# KiCad board CRMHJN_capable_carrier.kicad_pcb (continued)
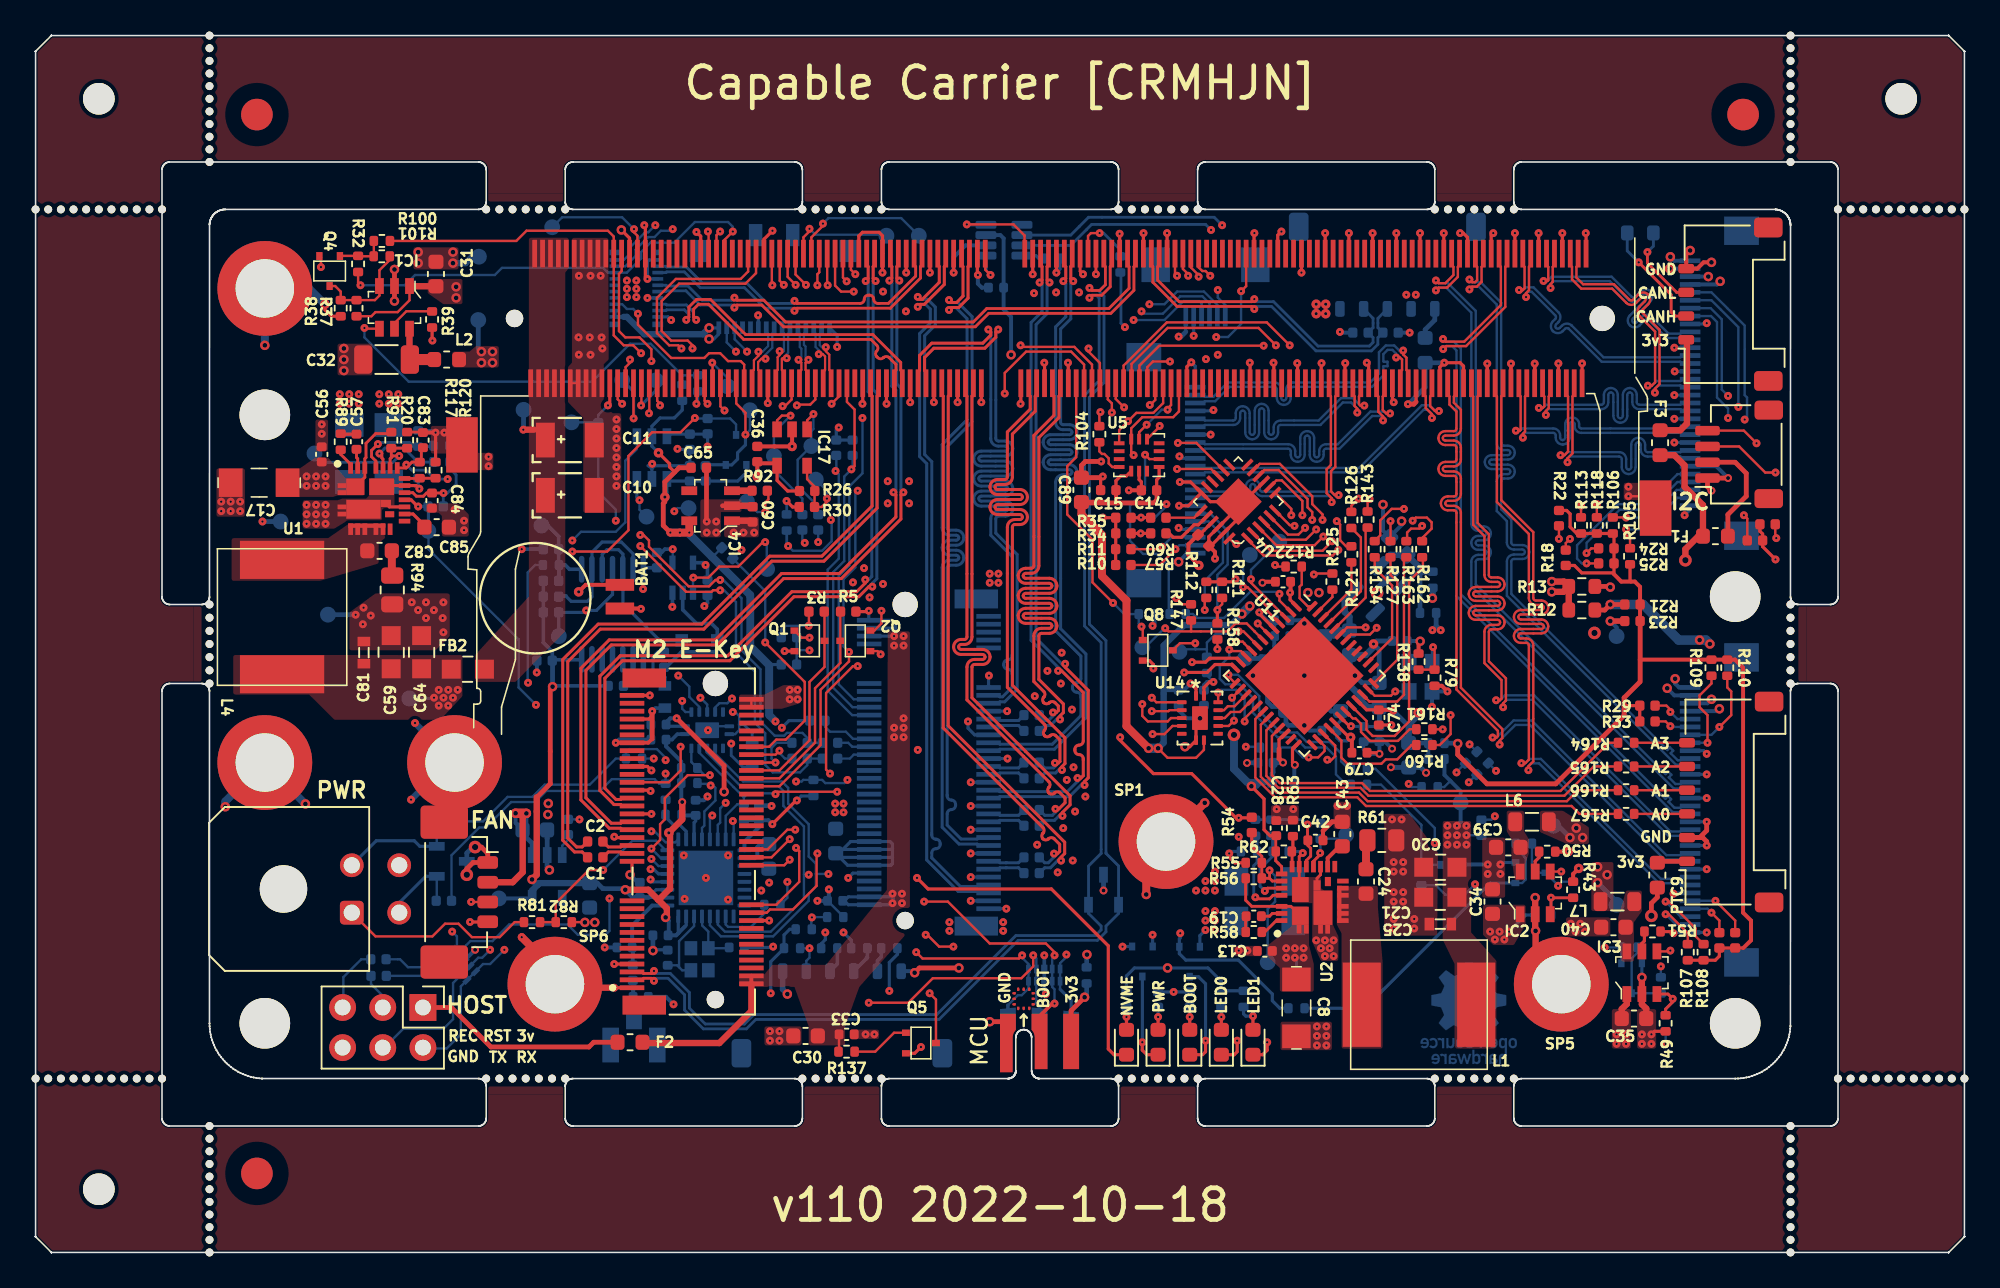
[diagram p0: board, top side]
## Routing (per net, layer and track width the routed paths; a pad name or vN(x,y) marks a point on that pad's centre or on a via; arc(x,y) is an arc through that point) (continued)
  Bottom w0.15: J6.8 105.97,59.25 106.35,58.88 106.35,54.1 107.05,53.4 v1(107.05,52.8)
Board_0-CAM1_TRIG: length 35.5
  Top w0.15: v1(98.75,47.35) R118.2 ; v1(85.7,46.27) R127.1
  In2.Cu w0.15: 98.75,47.7 99.15,47.7 101.65,50.2 103.65,50.2 107.05,53.6 v1(107.05,54.2) ; 98.75,47.7 97.33,47.7 96.72,47.1 87.3,47.1 86.85,47.55 86.28,47.55 85.9,47.17 85.9,46.48 v1(85.7,46.27) ; 98.75,47.7 v1(98.75,47.35)
  Bottom w0.15: v1(107.05,54.2) 106.65,54.6 106.65,59.05 105.95,59.75 J6.7
Board_0-CAM2_RST: length 22.5
  Top w0.15: R107.2 104.5,20.2 103.3,21.4 v1(103.1,21.4)
  In2.Cu w0.15: v1(90.65,29.75) 91.05,29.35 97.75,29.35 102.5,24.6 102.5,22 v1(103.1,21.4)
  Bottom w0.15: v1(103.1,21.4) 103.75,20.75 J7.31 ; v1(90.65,29.75) 91.14,30.24
Board_0-CAM2_TRIG: length 22
  Top w0.15: R108.2 105.49,19.51 105,20 105,20.5 103.3,22.2 v1(103.1,22.2)
  In2.Cu w0.15: v1(92.38,30.48) 92.38,30.4 93.08,29.7 97.9,29.7 102.9,24.7 102.9,22.4 v1(103.1,22.2)
  Bottom w0.15: J7.30 104.05,21.25 v1(103.1,22.2) ; v1(92.38,30.48) R155.1
Board_0-CAM3_RST: length 23.9
  Top w0.15: R161.1 88.36,33.1 v1(89,33.1) ; v1(105.75,32.25) 105.75,34 105.25,34.5 105.25,35.25 106,36 R109.2
  In2.Cu w0.15: v1(105.75,32.25) 105.4,32.25 105.25,32.4 96.9,32.4 95.9,33.4 89.3,33.4 v1(89,33.1)
  Bottom w0.15: v1(105.75,32.25) J7.8
Board_0-CAM3_TRIG: length 26.1
  Top w0.15: v1(89.5,34) 89.5,32.8 88.81,32.11 R160.1 ; R110.2 107,35.75 107.25,35.5 107.25,34 v1(106.5,33.25)
  In2.Cu w0.15: v1(89.5,34) 89.8,33.7 96,33.7 97,32.7 105.05,32.7 105.15,32.8 106.05,32.8 v1(106.5,33.25)
  Bottom w0.15: v1(106.5,33.25) 106,32.75 J7.7
Board_0-CAM3V_FLAG: length 41.5
  Top w0.15: U11.6 77.98,39.12 v1(77.3,39.8) ; v1(103.4,19.1) 103.35,19.05 IC3.4
  In2.Cu w0.15: 86.38,29.17 83.67,31.88 82.62,31.88 81.6,32.9 81.6,34.3 77.3,38.6 v1(77.3,39.8) ; 86.38,29.17 v1(86.85,29.65) ; 86.38,29.17 86.95,28.6 97.1,28.6 101.35,24.35 101.35,21.15 v1(103.4,19.1)
  Bottom w0.15: v1(86.85,29.65) 87.05,29.45 R129.2
Board_0-CAM3V_PWR: length 23.8
  In2.Cu w0.15: v1(88.5,25.9) 88.5,24.65 91.4,21.75 98.1,21.75 99.25,20.6 v1(99.25,19.3)
  Bottom w0.15: 100.3,19.3 R1.2 ; 100.3,19.3 Q7.1 ; 100.3,19.3 v1(99.25,19.3) ; R144.1 84.75,30.6 88.5,26.85 v1(88.5,25.9)
Board_0-CAM4_RST: length 9.5
  Top w0.15: v1(74.75,40.65) 74.75,40.73 75.05,41.02 R111.2
  Top w0.2: R158.1 v1(74.75,40.65)
  Bottom w0.15: v1(74.75,40.65) 74.75,42.88 75.4,43.52 75.4,45.65 74.3,46.75 J10.6
Board_0-CAM4_TRIG: length 21.1
  Top w0.15: R112.2 73.95,41.31 v1(73.95,40.65)
  In2.Cu w0.15: v1(76.55,32) 77.55,33 77.55,36.8 77.15,37.2 74.53,37.2 74.2,37.52 74.2,40.4 v1(73.95,40.65)
  Bottom w0.15: v1(73.95,40.65) 73.95,42.5 75.1,43.65 75.1,45.35 74.2,46.25 J10.5 ; R159.1 77.39,32 v1(76.55,32)
Board_0-CAM5V_FLAG: length 30.5
  Top w0.15: v1(75.95,38.65) 76.35,38.65 76.45,38.55 76.45,38.53 U11.9 ; IC2.4 v1(96.5,24.1)
  In2.Cu w0.15: v1(96.5,24.1) 96.1,24.1 92.55,27.65 ; v1(92.3,27.6) 92.35,27.65 92.55,27.65 ; 92.55,27.65 92,28.2 86.75,28.2 83.45,31.5 82.5,31.5 81.15,32.85 81.15,34.25 76.75,38.65 v1(75.95,38.65)
  Bottom w0.15: R131.2 92.08,27.39 v1(92.3,27.6)
Board_0-CAM5V_PWR: length 8.6
  Bottom w0.15: Q6.1 88.38,24.53 88.11,24.25 R119.2 87.66,27.05 85.1,29.6 R145.1
Board_0-CAM_I2C_SCL: length 71.7
  Top w0.15: v1(43.3,64.6) 43.07,64.37 M1.213 ; U11.4 78.68,39.82 77.9,40.6 77.9,40.85 76.65,42.1 v1(76.38,42.1)
  Top w0.2: R60.2 70.52,46.5 v1(69.92,46.5) 69.91,46.5 69.9,46.49 R35.2
  In2.Cu w0.15: v1(76.38,42.1) 76.38,42.08 76.3,42 72.85,42 70.75,44.1 70.75,46.2 71.25,46.7 71.25,47.35 ; v1(71.53,47.35) 71.25,47.35 ; 71.25,47.35 71.25,51.08 72.06,51.89 72.06,52.54 75.6,56.08 75.6,62.5 73.05,65.05 66.85,65.05 66.15,64.35 49.85,64.35 49.5,64 43.9,64 v1(43.3,64.6)
  Bottom w0.15: v1(71.53,47.35) 71.5,47.33 71.5,47.2 70.8,46.5 v1(69.92,46.5) ; v1(76.38,42.1) 76.38,43.71 TP10.1
Board_0-CAM_I2C_SDA: length 72.2
  Top w0.15: U11.3 79.05,40.2 76.88,42.38 v1(76.88,42.6) ; v1(42.52,64.6) 42.57,64.56 M1.215
  Top w0.2: R34.2 v1(69.9,45.5) R57.2
  In2.Cu w0.15: v1(76.88,42.6) 76.88,41.88 76.62,41.62 72.72,41.62 70.4,43.95 70.4,46.3 70.97,46.88 70.97,51.27 71.79,52.09 71.79,52.71 75.3,56.23 75.3,62.4 73.75,63.95 50,63.95 49.75,63.7 43.42,63.7 v1(42.52,64.6) ; v1(69.9,45.5) 70.4,45.5
  Bottom w0.15: v1(76.88,42.6) 76.88,43.19 TP1.1
Board_0-CAM_VIO: length 67.7
  Top w0.2: 100.9,42.45 100.85,42.5 R105.1 ; 99.86,45.49 R118.1 R113.1 97.47,45.49 97.06,45.91 97.06,46.73 96.84,46.95 R22.1 ; R107.1 R108.1 106.24,18.49 106.5,18.75 R27.1 R28.1 108.02,19.27 ; R18.1 97.33,43.47 97.8,43 99.75,43 99.83,42.91 R25.1 R24.1 99.83,45.41 ; R33.1 R29.1 100.5,34.6 100.47,34.58
  Top w0.25: 99.83,42.91 100.3,42.45 101.15,42.45 101.48,42.12 R21.1 R23.1 101.49,39.95 ; 101.49,36.12 101.47,36.09 ; 108.02,19.27 108.5,19.75 108.5,21 108,21.5 108,37 107.49,37.51 R110.1 R109.1 101.49,37.51
  Top w0.3: 101.49,36.12 101.49,39.95 ; 101.47,36.09 100.47,35.1 100.47,33.98 96.15,29.65 91.8,29.65 89.95,31.5 v2(89.95,32.2)
  Bottom w0.3: v2(89.95,32.2) 89.92,32.23 R150.1
Board_0-CAN_RX: length 6.3
  Top w0.15: M1.143 62.55,63.22 62.55,64.35 61.85,65.05 v1(58.9,65.05)
  Bottom w0.2: v1(58.9,65.05) 58.92,65.03 60.11,65.03
Board_0-CAN_TX: length 2.8
  Top w0.15: M1.145 60.07,62.18 v1(60.4,61.85)
  Bottom w0.15: U6.1 60.11,62.64 60.15,62.6 60.15,62.1 v1(60.4,61.85)
Board_0-ENET_LED0: length 8.2
  Top w0.15: v1(47.25,53.55) 47.4,53.55 47.82,53.97 M1.194
  In2.Cu w0.15: v1(44.3,57) 44.3,56.5 v1(47.25,53.55)
  Bottom w0.15: v1(44.3,57) 43.72,57.58 J3.2
Board_0-ENET_LED1: length 9.1
  Top w0.15: M1.188 49.32,53.97 49,53.65 48.2,53.65 v1(48.15,53.6)
  In2.Cu w0.15: v1(45,57) 45,56.4 47.2,54.2 47.55,54.2 v1(48.15,53.6)
  Bottom w0.15: v1(45,57) 44.22,57.78 J3.3
Board_0-ENET_TRD0_N: length 4
  Top w0.14: M1.184 50.32,55.73 50.2,55.84 50.2,56.81 49.98,57.03 v1(49.98,57.28)
  Bottom w0.14: v1(49.98,57.28) 49.73,57.28 49.6,57.41 49.6,58.15 49.72,58.26 J3.14
Board_0-ENET_TRD0_P: length 4
  Top w0.14: v1(49.54,56.84) 49.79,56.84 49.94,56.7 49.94,55.84 49.82,55.73 M1.186
  Bottom w0.14: J3.13 49.22,58.26 49.33,58.15 49.33,57.3 49.54,57.09 v1(49.54,56.84)
Board_0-ENET_TRD1_N: length 3.8
  Top w0.14: M1.190 48.82,55.73 48.7,55.84 48.7,56.3 v1(48.88,56.48)
  Bottom w0.14: v1(48.88,56.48) 48.7,56.66 48.7,57.32 48.6,57.43 48.6,58.15 48.72,58.26 J3.12
Board_0-ENET_TRD1_P: length 3.8
  Top w0.14: M1.192 48.32,55.73 48.44,55.84 48.44,56.3 v1(48.26,56.48)
  Bottom w0.14: v1(48.26,56.48) 48.44,56.66 48.44,57.19 48.33,57.29 48.33,58.15 48.22,58.26 J3.11
Board_0-ENET_TRD2_N: length 3.9
  Top w0.14: v1(47.51,56.59) 47.25,56.59 47.2,56.54 47.2,55.84 47.32,55.73 M1.196
  Bottom w0.14: v1(47.51,56.59) 47.51,56.84 47.6,56.93 47.6,58.15 47.72,58.26 J3.10
Board_0-ENET_TRD2_P: length 3.9
  Top w0.14: v1(47.06,57.03) 47.06,56.78 46.94,56.65 46.94,55.84 46.82,55.73 M1.198
  Bottom w0.14: v1(47.06,57.03) 47.32,57.03 47.33,57.04 47.33,58.15 47.22,58.26 J3.9
Board_0-ENET_TRD3_N: length 4.1
  Top w0.14: v1(46.17,56.55) 45.91,56.55 45.7,56.34 45.7,55.84 45.82,55.73 M1.202
  Bottom w0.14: J3.8 46.72,58.26 46.6,58.15 46.6,57.24 46.17,56.81 v1(46.17,56.55)
Board_0-ENET_TRD3_P: length 4.1
  Top w0.14: v1(45.72,57) 45.72,56.74 45.44,56.45 45.44,55.84 45.32,55.73 M1.204
  Bottom w0.14: v1(45.72,57) 45.98,57 46.33,57.35 46.33,58.15 46.22,58.26 J3.7
Board_0-FAN_PWM: length 10.5
  Top w0.15: v1(38.8,53.1) 38.82,53.12 M1.230
  In2.Cu w0.15: v1(38.2,47.6) 38,47.8 38,50.75 38.8,51.55 v1(38.8,53.1)
  Bottom w0.15: TP13.1 38.2,47 v1(38.2,47.6)
  Bottom w0.2: v1(38.2,47.6) 38.03,47.77 U3.3
Board_0-FAN_TACH: length 9.1
  Top w0.15: M1.208 44.32,53.72 44.9,53.14 v1(44.9,51.75)
  Bottom w0.15: TP14.1 45.18,52.03 v1(44.9,51.75)
  Bottom w0.2: v1(44.9,51.75) 44.9,51.1 44.4,50.6 44.4,50.2 44.03,49.83 T3.2 43.64,49.84 42.45,49.84 R95.2
Board_0-GND: length 387.7
  Top w0.1: 71.57,64.5 v1(71.57,64.5)
  Top w0.125: M1.250 M1.248
  Top w0.15: v1(18.05,62.35) 18.05,62.95 Q4.2 ; v2(34.74,20.89) 34.73,20.9 R82.1 ; 70.07,64.49 v1(70.08,64.5) ; v2(18.3,60) 18.31,59.99 ; v1(100.75,47.85) 101.72,47.85 M1.262 ; v1(53.5,40.6) 53.5,39.8 53.05,39.35 Q2.2
  Top w0.18: R20.1 24.47,51.91 ; 22.37,47.17 U1.27 ; U2.27 81.05,23.68 81.28,23.9 U2.13 ; M1.129 66.07,62.08 v1(66.25,61.9) ; M1.125 67.07,61.9 v1(67.07,61.9) ; 21.96,48.52 U1.25 ; v1(80.15,25.28) 79.92,25.05 U2.16 79.92,23.04 U2.25
  Top w0.2: 55.32,53.8 55.32,53.8 M1.164 ; v1(56.82,53.8) M1.158 ; v1(58.32,53.8) M1.152 ; v1(59.82,53.8) M1.146 ; v1(64.57,62) M1.135 ; v1(56.57,62) M1.159 ; v1(58.07,62) M1.153 ; v1(53.57,62) M1.171 53.57,64.33 53.35,64.55 52.3,64.55 52.07,64.32 M1.177 ; v1(55.07,62) M1.165 ; U4.25 74.3,47.51 U4.18 ; U4.25 76.07,46.45 U4.23 74.35,44.72 C9.2 ; U4.25 76.43,47.51 U4.9 ; U4.25 76.07,47.15 U4.22 74.21,45.29 C9.2 ; C74.1 85.75,33.38 ; J4.1 v1(36.6,16.75) ; v1(38.95,30.5) 38.7,30.75 J4.57 ; v1(89.07,64.5) 89.07,64.5 M1.37 ; M1.119 68.57,64.46 v1(68.57,64.46) ; v1(65.3,56.3) 65.32,56.28 M1.132 ; v2(72.7,32) 73,32 73.4,32.4 U14.7 73.4,33.55 v2(73.65,33.8) ; v1(84.2,56.3) 84.32,56.18 M1.56 ; R51.1 102.79,20.3 103.5,20.3 v1(103.6,20.2) ; 27.04,51.36 26.18,51.36 26.14,51.32 26.14,50.69 ; M1.13 95.07,64.5 v1(95.07,64.5) ; v1(81.57,64.5) 81.57,64.5 M1.67 ; v1(73.1,56.33) 72.82,56.04 M1.102 ; v1(80.07,62) 80.07,63.2 M1.73 ; C9.2 74.21,44.72 ; J4.39 36.65,26.25 v1(36.6,26.3) ; M1.113 70.07,64.49 ; v1(93.32,56.25) 93.32,56.24 M1.20 ; M1.7 96.57,64.5 v1(96.57,64.5) ; M1.200 46.31,54.99 v1(46.31,53.74) ; v3(85,31.55) 84.93,31.62 C79.1 ; v1(41.8,64.58) 42.07,64.31 M1.217 ; U4.18 73.73,48.07 73.05,48.75 v1(72.38,48.75) ; U4.18 72.92,47.25 v1(72.33,47.25) ; v1(92.2,64.5) 92.07,64.37 M1.25 ; v1(83.07,64.5) 83.07,64.5 M1.61 ; v1(46.61,64.65) 46.07,64.11 M1.201 ; J4.51 38.85,29.25 v1(38.9,29.2) ; J4.69 38.8,33.75 39,33.95 v1(39,34.25) ; v1(56,13) 55.6,12.6 Q5.2 ; J4.75 v1(38.85,35.25) ; U5.6 69.8,48.9 69.94,48.76 C14.1 ; v1(52.3,53.7) 52.32,53.72 M1.176 ; v1(77.09,64.5) 77.07,64.48 M1.85 ; v1(98.05,64.5) 98.07,64.48 M1.1 ; v1(70.7,36.95) 70.7,37.2 70.45,37.45 Q8.2 ; v1(46.4,21) J4.18 ; M1.74 79.82,56.25 ; 37.73,24.03 J4.33 ; v1(84.57,64.5) 84.57,64.5 M1.55 ; 21.96,48.52 23.97,48.52 23.98,48.52 24.08,48.52 v1(24.27,48.33) ; v1(38.95,27.75) J4.45 ; 87.32,53.82 M1.44 ; 36.86,49.22 v1(36.74,49.11) ; M1.144 62.32,53.72 v1(62.3,53.7) ; J4.7 v1(36.6,18.25) ; v1(67.5,49.1) 67.36,48.97 67.36,48.16 ; 32.85,17.85 SP6.1 ; M1.79 78.57,64.37 v1(78.8,64.6) ; M1.2 97.82,56.25 ; v1(87.57,64.5) 87.57,64.5 M1.43 ; M1.170 53.82,53.71 v1(53.83,53.7) ; R49.1 102.39,13.99 v1(102.2,13.8) ; M1.86 76.82,56.28 v1(76.8,56.3) ; v1(47.5,47.55) 47.88,47.17 R30.1 ; v1(63.07,61.9) 63.07,61.9 M1.141 ; v1(94.82,56.25) 94.82,56.24 M1.14 ; M1.68 81.32,56.25 v1(81.34,56.27) ; M1.8 96.32,56.25 ; M1.107 71.57,64.5 ; v1(78.3,56.3) 78.32,56.28 M1.80 ; v1(93.57,64.5) 93.57,64.5 M1.19 ; R55.1 75.84,24.66 75.5,25 v1(75.5,25.25) ; M1.138 63.82,56.28 v1(63.8,56.3) ; 18.31,59.99 18.31,59.64 18.71,59.24 R38.1 ; v1(59.6,61.85) 59.57,61.88 M1.147 ; M1.38 88.82,56.02 v1(89.1,56.3) 90.1,56.3 90.32,56.08 M1.32 ; v1(38.5,65) 38.57,64.93 M1.231 38.57,61.73 v1(38.7,61.6) ; v1(86.07,64.5) 86.07,64.5 M1.49 ; v1(47.38,38.05) Q1.2 ; M1.31 90.57,64.23 90.3,64.5 v1(90.1,64.5) ; U1.13 22.37,47.17 ; R120.2 v1(25.3,51.88) ; v1(85.9,53.8) 85.82,53.88 M1.50 ; M1.62 82.82,56.25 ; 25.08,57.72 R39.1
  Top w0.22: M1.26 91.82,56.24 v1(91.82,56.25) ; M1.20 93.32,56.24 ; M1.14 94.82,56.24
  Top w0.23: v1(36.7,32.25) J4.63 38.75,32.25 39,32.5
  Top w0.25: v1(89.3,35.5) 88.94,35.85 R79.2 ; v1(69.15,48.23) C14.1 ; BAT1.- 38.27,40.74 v1(38.29,40.73) ; C67.1 77.67,42.44 v3(77.6,42.38) ; IC17.2 v4(47.85,51) 46.75,51 46.75,51 C36.1 ; R50.1 96.94,25.36 v4(96.95,25.38) ; v1(25.1,57.7) 25.08,57.72 ; v1(74.6,43.9) 74.6,44.33 74.21,44.72 ; 25.28,51.88 24.3,51.88 ; v2(106,62.65) 105.5,62.65 105.1,62.25 J16.4 104.41,63.16 v2(104.65,63.4) ; v4(97.6,24.3) 97.25,23.95 R43.1 ; C42.2 81.43,26.68
  Top w0.3: v1(105.7,25.75) 105.7,26 105.45,26.25 104.44,26.25 105.25,26.25 105.7,26.7 v1(105.7,27.25) ; v1(67.4,50.05) 66.4,50.05 66.15,49.8 C89.1 67.42,49.02 v1(67.5,49.1) ; v1(86.8,53.67) 87.17,53.67 87.32,53.82 ; v2(22.7,60.2) IC1.2 v2(22.7,62.2) ; v5(27.27,23.9) 27.27,24.28 27.67,24.67 J12.1 28.6,25.25 28.2,25.65 v5(27.8,25.65) ; v1(42.45,46.25) 42.44,46.27 C65.2 ; C43.2 82,27.25 81.43,26.68 ; v3(106,48.2) 105.75,48.45 J15.1 v3(107.05,49) ; 26.14,52.29 27.03,52.29 ; 44.05,47.25 43.45,47.25 ; 39,32.5 v1(39,34.25) ; J18.1 v2(60.35,14.6)
  Top w0.4: C35.2 101.88,15.42 101.6,15.7 IC3.2 v2(101.6,17.4) ; v2(94.85,22.45) IC2.2 94.85,20.38 v2(94.88,20.35) 94.88,18.6 SP5.1 ; v1(36.6,16.75) 33.08,16.75
  Top w0.406: 44.05,47.25 45.28,47.25
  Top w0.5: v2(73.95,28.45) SP1.1 70.25,24.75 v2(70.25,22.65) ; v1(30.75,19.95) 32.85,17.85
  Bottom w0.15: v1(39,49.9) 39,49.73 38.98,49.71 ; 51.09,21.25 C46.1 ; 20.24,40.36 v1(20.24,40.35) ; U8.15 42.73,33.3 U8.7
  Bottom w0.18: v1(44,32.2) 44,31.45 44.73,30.73 C54.1 ; v1(80.15,25.28) 80.05,25.38 R53.2 ; R74.2 25.16,52.01 v1(25.3,51.88) ; v1(47.5,47.55) 47.51,47.54 R70.2 ; v1(24.27,48.33) 24.2,48.4 R19.2
  Bottom w0.2: v1(103.65,54.25) J6.18 ; J13.2 38.8,62.8 38.7,62.7 v1(38.7,61.6) J13.8 ; v2(39.05,19.1) 39.1,19.15 39.96,19.15 C29.2 ; v2(39.05,19.1) 39.15,19.2 ; v2(39.05,19.1) 39.1,19.1 ; v2(39.05,19.1) 39.05,19.1 ; J8.39 v1(61.47,31.25) ; J10.22 73.35,56.08 v1(73.1,56.33) ; R45.2 75.62,25.38 v1(75.5,25.25) ; v1(73.99,20.4) 73.64,20.05 T2.2 ; v1(70.65,39.65) 70.8,39.8 R157.1 ; J6.32 104.65,47 v1(104.3,46.65) ; v1(40.6,50.85) 40.64,50.81 C88.1 C86.1 39.17,49.78 ; J10.4 72.4,45.75 v1(72.3,45.85) ; 38.98,49.59 38.8,49.78 38.75,49.78 38.92,49.78 ; 38.98,49.59 U3.2 ; 38.98,49.59 39.17,49.78 ; 38.98,49.59 38.98,49.71 38.92,49.78 ; C66.1 C72.1 84,31.85 ; J5.2 v1(73.25,58) ; v1(105.7,31.55) 105.5,31.75 J7.9 ; 38.92,49.78 39.17,49.78 ; v1(72.35,50.38) 72.47,50.25 J10.13 ; J8.57 60.27,36.47 v1(60.3,36.5) ; v1(74.33,51.75) J10.16 ; T4.2 70.65,19.36 v1(70.65,20.1) ; v1(58.97,33.6) 58.97,33.18 59.4,32.75 J8.45 ; J8.27 v1(59.15,28.25) ; v1(103.65,57.25) J6.12 ; J8.1 v1(61.4,21.75) ; v1(92.65,24.55) 92.78,24.67 Q3.2 ; v1(74.5,53.3) 74.45,53.25 J10.19 ; J7.24 v1(105.7,24.25) ; J8.33 v1(59.15,29.75) ; J8.15 v1(59.15,25.25) ; J7.12 v1(105.7,30.25) ; v1(72.38,48.75) J10.10 ; v1(61.45,34.25) 60.28,34.25 ; J13.14 v1(38.7,60.4) ; J8.9 v1(59.15,23.75) ; J3.15 50.7,58.03 v1(50.7,57.3) ; J7.27 103.65,22.75 v1(103.6,22.7) ; v1(103.65,52.75) J6.21 ; 38.97,34.22 v1(39,34.25) ; J7.18 v1(105.7,27.25) ; J6.9 105.65,58.75 v1(105.7,58.8) ; v1(40.2,59) 40,59.2 J13.20 ; C27.2 46.6,19.3 v1(46.65,19.35) ; v1(72.33,47.25) J10.7 ; J7.15 v1(105.7,28.75) ; v1(103.6,20.2) 103.65,20.25 J7.32 v1(105.7,20.25) ; J3.6 45.72,59.28 v1(45.7,59.3) ; v1(103.65,51.25) J6.24 ; v1(64.57,62) 64.8,62.23 R124.1 ; v1(103.67,55.75) J6.15 ; J8.3 v1(59.15,22.25) ; J8.21 v1(59.15,26.75) ; J7.21 v1(105.7,25.75) ; Q7.2 v2(101.6,17.4)
  Bottom w0.23: C63.1 39.19,34.44 v1(39,34.25) 38.92,34.17 ; v1(40.27,40.85) 40.28,40.86 IC13.3 ; v1(63.8,18.8) U9.8 U9.3 63.8,16.45 v1(63.9,16.35) ; v1(38.42,41.98) 38.44,41.99 IC12.7 38.54,43.32 R136.1 ; C41.1 v1(30.75,44.5) ; C71.1 42.5,41.1 v1(42.3,40.9)
  Bottom w0.25: v3(85,31.55) 84.3,31.55 84,31.85 ; v2(80.25,39.8) 80.05,40 C61.1 ; 85,31.42 C66.1 85.36,32.32 v3(85.8,31.88) ; J6.27 106.3,49.75 v3(107.05,49) ; 79.97,38.9 79.88,39 C58.1 ; C26.1 38.08,23.42 v2(37.6,23.9) ; 41.75,28.62 42.27,28.62 v1(42.5,28.85) ; v2(86.4,46.27) 86.4,46.02 85.63,45.26 C76.1 85.63,45.27 85.22,45.67 v2(85.22,47.33) ; v1(36,19.3) C7.2 ; v1(88.33,34.52) U12.2 v1(89.3,35.5) ; C48.1 31.71,36.71 v1(31.7,36.7) ; v3(27.8,19.15) U10.8 U10.3 ; U6.2 58.83,63.73 58.07,62.97 v1(58.07,62) ; v1(91.85,24.55) 90.17,24.55 Q6.2 ; v1(50.17,22.97) 50.17,22.33 ; D5.2 v1(86.91,58.2) ; C6.2 39.88,16.17 v1(40.35,15.7) ; v1(82.5,58.25) 82.55,58.2 D1.2 ; C45.1 73.9,34.05 v2(73.65,33.8) 72.8,33.8 72.3,34.3 C44.1 ; v1(59.6,61.85) 59.6,61.3 59.85,61.05 C90.1 ; 81.36,33.02 81.35,33.02 80.58,33.02 v2(80.25,33.35) ; 38.92,34.17 C50.1 C53.1 36.9,32.45 v1(36.7,32.25) ; v1(49.45,22.25) C46.1
  Bottom w0.3: 45.75,28.27 46.53,28.27 v1(46.55,28.25) ; C3.2 32.35,26.2 32.36,26.19 IC5.2 ; C73.2 76.64,30.98 ; 74.64,20.35 v1(74.59,20.4) ; C87.1 84.81,38.69 v4(84.62,38.5) 84.98,38.14 C62.1 84.97,36.05 83.9,36.05 v2(83.45,36.5) ; 32.35,25.13 32.35,24.35 v2(32.5,24.2) ; v2(80.25,33.35) 79.25,33.35 79.08,33.52 C80.1 78.2,34.55 77.92,34.83 77.92,35.58 v2(77,36.5) ; v3(87.95,30.35) 87.61,30.69 C75.1 85.96,30.69 85.95,30.7 v3(85.72,30.7) ; v5(27.8,25.65) 27.65,25.65 27.27,25.28 D3.3 v5(27.27,23.9) ; v1(86.8,53.67) 86.83,53.67 87.89,54.74 L3.1 89.09,56.3 v1(89.1,56.3) ; C23.1 39.05,19.1 ; D4.3 v3(67.55,22.9) ; TP17.1 20.24,40.36 ; v2(80.25,36.5) 79.97,36.77 C55.1 79.97,38.9 80.25,39.17 v2(80.25,39.8)
  Bottom w0.35: v2(47.55,16.35) 47.25,16.65 J11.6
  Bottom w0.4: v4(84.62,38.5) 84.62,38.3 84.13,37.8 C77.1 83.1,36.85 v2(83.45,36.5) ; v5(84.85,41.73) 84.85,41.98 85.65,42.78 ; v1(23.75,28.65) 26.1,31 SP2.1 v1(24,33.5) ; TP44.1 27.61,63.01 27.2,62.6 v2(26.4,62.6)
  Bottom w0.5: v2(18.3,60) 17.3,61 SP3.1 v2(14.5,57.4) ; v2(12,28.2) 12,28.54 14.45,30.99 17.06,28.38 v2(17.07,28.38)
  vias: v1(11.74,47.51) v1(11.74,46.91) v1(12.34,47.51) v1(12.34,46.91) v1(12.94,47.51) v1(12.94,46.91) v1(17.14,47.31) v1(17.14,46.71) v1(17.14,46.11) v1(17.74,47.31) v1(17.74,46.71) v1(17.74,46.11) v1(18.1,52.4) v1(18.1,51.8) v1(18.34,47.31) v1(18.34,46.71) v1(18.34,46.11) v1(19.24,54.31) v1(19.24,53.71) v1(19.84,54.31) v1(19.84,53.71) v1(20.44,54.31) v1(20.44,53.71) v1(20.74,40.8) v1(20.7,39.75) v1(21.2,40.3) v1(23.79,41.14) v1(24.19,40.64) v1(24.69,41.14) v1(24.69,40.14) v1(25.19,40.64) v1(25.75,40.14) v1(25.79,41.14) v1(25.79,39.24) v1(25.85,51.88) v1(26.5,47) v1(27.1,46.3) v1(27.1,45.7) v1(28.65,50.35) v1(28.65,49.75) v1(34.34,57.91) v1(34.37,61.8) v1(34.36,56.81) v1(35.05,57.9) v1(35.1,61.8) v1(35.1,56.8) v1(35.74,61.8) v1(35.8,57.9) v1(35.85,57.2) v1(36.74,52.71) v1(36.74,52.11) v1(36.74,51.51) v1(36.74,50.91) v1(36.74,50.31) v1(36.74,49.71) v1(36.74,48.51) v1(41,25.13) v1(41.05,22.38) v1(42.4,23.7) v1(42.45,45.55) v1(42.53,33.05) v1(43.05,46.25) v1(43.05,45.55) v1(43.8,25.13) v1(43.8,22.33) v1(45.9,22.9) v1(46.4,23.4) v1(46.45,14) v1(46.45,13.4) v1(47.05,14) v1(47.05,13.4) v1(50.58,28.4) v1(50.58,27.85) v1(51.1,28.4) v1(51.1,27.85) v1(51.7,42.4) v1(52.4,43.3) v1(52.5,13.8) v1(52.75,41.45) v1(53.05,13.8) v1(53.6,60.8) v1(53.6,42.3) v1(53.9,48.8) v1(53.9,47.4) v1(55.05,59.55) v1(55.25,48.8) v1(55.25,47.4) v1(55.32,53.8) v1(57.8,20.9) v1(57.8,20.35) v1(60.35,42.95) v1(60.35,42.38) v1(60.9,42.95) v1(60.9,42.38) v1(61.2,20.9) v1(61.2,20.35) v1(63.15,60.7) v1(63.2,35.2) v1(63.35,25.8) v1(64,36.8) v1(64.55,60.75) v1(64.65,24.05) v1(64.85,36) v1(64.9,37.95) v1(65,26.85) v1(65.22,29.9) v1(65.55,34.35) v1(65.6,24.8) v1(65.65,30.7) v1(65.75,27.9) v1(66,60.75) v1(66.4,28.85) v1(73.99,21.6) v1(73.99,21) v1(74.59,21.6) v1(74.59,21) v1(76.1,19.1) v1(76.65,19.1) v1(78.5,28.05) v1(79.55,28.05) v1(79.8,56.27) v1(81,19.75) v1(81.04,14.3) v1(81.04,13.7) v1(81.04,13.1) v1(81.3,19.25) v1(81.55,19.75) v1(81.55,18.75) v1(81.64,14.3) v1(81.64,13.7) v1(81.64,13.1) v1(81.85,19.25) v1(82.1,19.75) v1(82.1,18.75) v1(82.35,28.25) v1(82.84,56.27) v1(82.95,28.25) v1(85.75,33.37) v1(85.8,27.4) v1(85.9,24.7) v1(85.9,24.1) v1(85.9,22.8) v1(85.9,22.2) v1(85.9,21.1) v1(85.9,20.5) v1(86.4,27.4) v1(86.5,24.7) v1(86.5,24.1) v1(86.5,22.8) v1(86.5,22.2) v1(86.7,60.6) v1(87.2,21.1) v1(87.2,20.5) v1(87.3,60.6) v1(91.85,23.95) v1(92.65,23.95) v1(96.32,56.26) v1(97.1,20.8) v1(97.4,20.3) v1(97.7,20.8) v1(97.82,56.26) v1(98,20.3) v1(100.75,48.45) v1(101.6,13.8) v1(101.6,13.2) v1(102.2,13.2) v2(19.5,57.2) v2(19.5,56.5) v2(19.5,55.8) v2(24.2,63.3) v2(24.2,62.6) v2(26.4,63.3) v2(32.43,28.41) v2(32.41,27.71) v2(35.37,20.89) v3(76.62,30.98)
Board_0-GPIO00: length 17.6
  Top w0.15: R104.2 67.28,53.11 v1(67.35,53.17) ; v1(76.25,60.83) 76.57,61.14 M1.87
  In2.Cu w0.15: v1(67.35,53.17) 67.35,53.88 71.95,58.48 74.12,58.48 v1(74.67,57.92)
  Bottom w0.15: v1(76.25,60.83) 76.25,58.75 75.42,57.92 v1(74.67,57.92)
Board_0-GPIO01: length 26.3
  Top w0.15: M1.118 68.82,56.12 71.55,58.85 77.88,58.85 v1(79.33,57.4) ; v1(84.38,47.67) 84.25,47.55 R143.2
  In3.Cu w0.15: v1(84.38,47.67) 84.08,47.98 84.08,51.4 80.53,54.95 80.53,56.67 79.8,57.4 v1(79.33,57.4)
Board_0-GPIO04: length 4.1
  Top w0.15: M1.127 66.57,64.32 66.75,64.5 v1(67.3,64.5)
  Bottom w0.18: v1(67.3,64.5) 67.55,64.5 68.61,63.44 R90.1
Board_0-GPIO06: length 19
  Top w0.15: v1(69.95,39.6) 70.03,39.52 Q8.1 ; M1.130 65.82,50.32 65.25,49.75 65.25,46.7 66.85,45.1 66.85,42.4 v1(68.15,41.1)
  Bottom w0.15: v1(68.15,41.1) 68.86,40.4 69.78,40.4 69.78,39.77 v1(69.95,39.6)
Board_0-GPIO07: length 11.6
  Top w0.15: v1(38.1,59.4) 38.1,58.7 40.2,56.6 42.3,56.6 42.6,56.9 43.3,56.9 43.8,56.4 44.6,56.4 44.82,56.18 M1.206
  Bottom w0.15: J13.15 37.1,60 37.4,59.7 37.8,59.7 v1(38.1,59.4)
Board_0-GPIO09: length 28.6
  Top w0.15: M1.211 43.57,64.07 v1(44.1,64.6) ; R32.2 20.4,61.35 v1(20.55,61.2)
  Bottom w0.15: v1(44.1,64.6) 44.1,64.9 43.8,65.2 41.7,65.2 40.4,63.9 38.9,63.9 38.3,63.3 38.3,62.9 37.4,62 J13.5 36.2,62 35.9,62.3 29.5,62.3 29.05,61.85 24,61.85 23.35,61.2 v1(20.55,61.2)
Board_0-GPIO11: length 22.2
  Top w0.15: v1(42.5,53.7) 42.32,53.88 M1.216
  In2.Cu w0.15: v1(42.5,53.7) 42.5,52.9 41.9,52.3 41.9,44.9 40.95,43.95 40.95,36.8 v1(40.65,36.5)
  Bottom w0.15: U8.3 41.98,34.52 41.35,35.15 41.35,35.8 v1(40.65,36.5)
Board_0-GPIO13: length 22.8
  Top w0.15: v1(39.5,53.6) 39.5,53.7 39.32,53.88 M1.228
  In2.Cu w0.15: v1(39.5,53.6) 39.5,51.6 38.4,50.5 38.4,48.4 38.9,47.9 38.9,36.9 v1(40.9,34.9)
  Bottom w0.15: U8.2 41.1,34.2 40.9,34.4 v1(40.9,34.9)
Board_0-I2C0_SCL: length 20.3
  Top w0.15: v1(49.2,53.05) 48.8,52.65 IC17.1 ; M1.185 50.07,61.23 v1(50.1,61.2)
  In2.Cu w0.15: v1(50.1,61.2) 50.1,59.35 51.67,57.77 51.67,56.88 49.2,54.4 v1(49.2,53.05)
  Bottom w0.15: R69.2 49.5,47.2 48.2,48.5 48.2,50.16 TP23.1 49.07,51.97 49.2,52.1 v1(49.2,53.05)
Board_0-I2C0_SDA: length 21.8
  Top w0.15: v1(49.45,61.2) 49.45,61.9 49.57,62.02 M1.187 ; v1(47.75,52.95) 47.2,52.95 46.9,52.65 IC17.3
  In2.Cu w0.15: v1(49.45,61.2) 49.45,59.45 51.3,57.6 51.3,57 48.8,54.5 48.8,53.45 48.3,52.95 v1(47.75,52.95)
  Bottom w0.15: R68.2 48.5,47.7 46.7,49.5 TP24.1 46.7,51.9 v1(47.75,52.95)
Board_0-I2C1_SCL: length 23.5
  Top w0.15: v1(49.8,65.1) 49.8,64.96 49.07,64.23 M1.189
  In2.Cu w0.15: v1(49.8,65.1) 49.7,65.2 40.75,65.2 v1(40.3,64.75)
  Bottom w0.15: v1(49.8,65.1) 50.15,65.45 54.75,65.45 TP2.1 ; v1(40.3,64.75) 40.2,64.65 39.55,64.65 39.15,64.25 38.75,64.25 37.95,63.45 37.95,63.05 37.3,62.4 J13.3
Board_0-I2C1_SDA: length 20.5
  Top w0.15: M1.191 48.57,64.23 48.95,64.61 v1(48.95,64.78)
  In3.Cu w0.15: v1(39.2,65) 39.4,65.2 48.55,65.2 48.7,65.05 48.7,65.03 v1(48.95,64.78)
  Bottom w0.15: v1(39.2,65) 38.75,64.55 38.55,64.55 37.65,63.65 37.65,63.25 37.2,62.8 J13.1 ; TP18.1 53.75,64.4 49.33,64.4 v1(48.95,64.78)
Board_0-I2C2_SCL: length 36.5
  Top w0.15: v1(38.25,44.7) 41.15,41.8 42.75,41.8 42.85,41.9 v1(43.3,41.9) ; M1.232 38.32,53.62 v1(38.3,53.6)
  In2.Cu w0.15: v1(38.3,53.6) 37.85,53.6 37.33,53.08 37.33,45.52 38.15,44.7 v1(38.25,44.7)
  Bottom w0.15: v1(43.3,41.9) 43.55,41.9 44.3,41.15 44.3,37.95 45.5,36.75 45.5,33.5 46.15,32.85 46.15,30.85 46.62,30.38 48.35,30.38 48.81,30.84 R9.2 R7.1
  Bottom w0.2: v1(38.3,53.6) 39.25,54.55 TP19.1
Board_0-I2C2_SDA: length 34.4
  Top w0.15: v1(38.25,45.4) 38.45,45.4 38.8,45.05 38.8,44.65 41.3,42.15 42.6,42.15 43,42.55 v1(43.3,42.55) ; v1(37.83,52.77) 37.82,52.78 M1.234
  In2.Cu w0.15: v1(38.25,45.4) 37.65,46 37.65,52.6 v1(37.83,52.77)
  Bottom w0.15: v1(43.3,42.55) 43.5,42.55 44.65,41.4 44.65,38.1 45.85,36.9 45.85,33.6 46.75,32.7 47.35,32.7 47.52,32.88 48.5,32.88 48.81,32.56 R8.2 R6.1
  Bottom w0.2: TP21.1 37.83,54.48 v1(37.83,52.77)
Board_0-I2S0_DIN: length 32.9
  Top w0.15: v1(48.08,61.23) 47.57,61.73 M1.195
  In2.Cu w0.15: v1(48.08,61.23) 48.08,61.27 49.55,62.75 50.45,62.75 50.7,63 68.45,63 69.95,61.5 v1(69.95,59.55)
  Bottom w0.15: 74.25,59.55 74.25,60.05 73.8,60.5 72.4,60.5 71.3,59.4 70.1,59.4 v1(69.95,59.55)
Board_0-I2S0_DOUT: length 31.9
  Top w0.15: M1.193 48.07,61.88 v1(48.73,61.23)
  In2.Cu w0.15: v1(48.73,61.23) 49.92,62.42 50.72,62.42 51,62.7 68.25,62.7 69.45,61.5 v1(69.45,59)
  Bottom w0.15: v1(69.45,59) 71.4,59 72.6,60.2 73.6,60.2 73.75,60.05 73.75,59.55
Board_0-I2S0_FS: length 33.8
  Top w0.15: v1(47.33,61.23) 47.07,61.48 M1.197
  In2.Cu w0.15: v1(47.33,61.23) 47.33,61.33 49.1,63.1 50.2,63.1 50.4,63.3 68.65,63.3 70.45,61.5 v1(70.45,60)
  Bottom w0.15: v1(70.45,60) 71.4,60 72.2,60.8 73.9,60.8 74.75,59.95 74.75,59.55
Board_0-I2S0_SCLK: length 35.4
  Top w0.15: M1.199 46.57,61.23 v1(46.6,61.2)
  In2.Cu w0.15: v1(74.78,60.9) 74.95,61.08 74.95,62.35 73.65,63.65 50.2,63.65 49.95,63.4 48.6,63.4 46.6,61.4 v1(46.6,61.2)
  Bottom w0.15: v1(74.78,60.9) 74.78,60.42 75.25,59.95 J5.6
Board_0-IMU-INT2: length 13
  Top w0.15: U5.9 70.45,50.2 v1(70.17,50.48)
  Bottom w0.15: R142.2 71.67,40.45 71.67,43.42 70.9,44.2 70.05,44.2 69.22,45.02 69.22,47.27 70.17,48.23 v1(70.17,50.48)
